# Altium PCB Stepper_Board.PcbDoc (part 2 of 2) (continued)
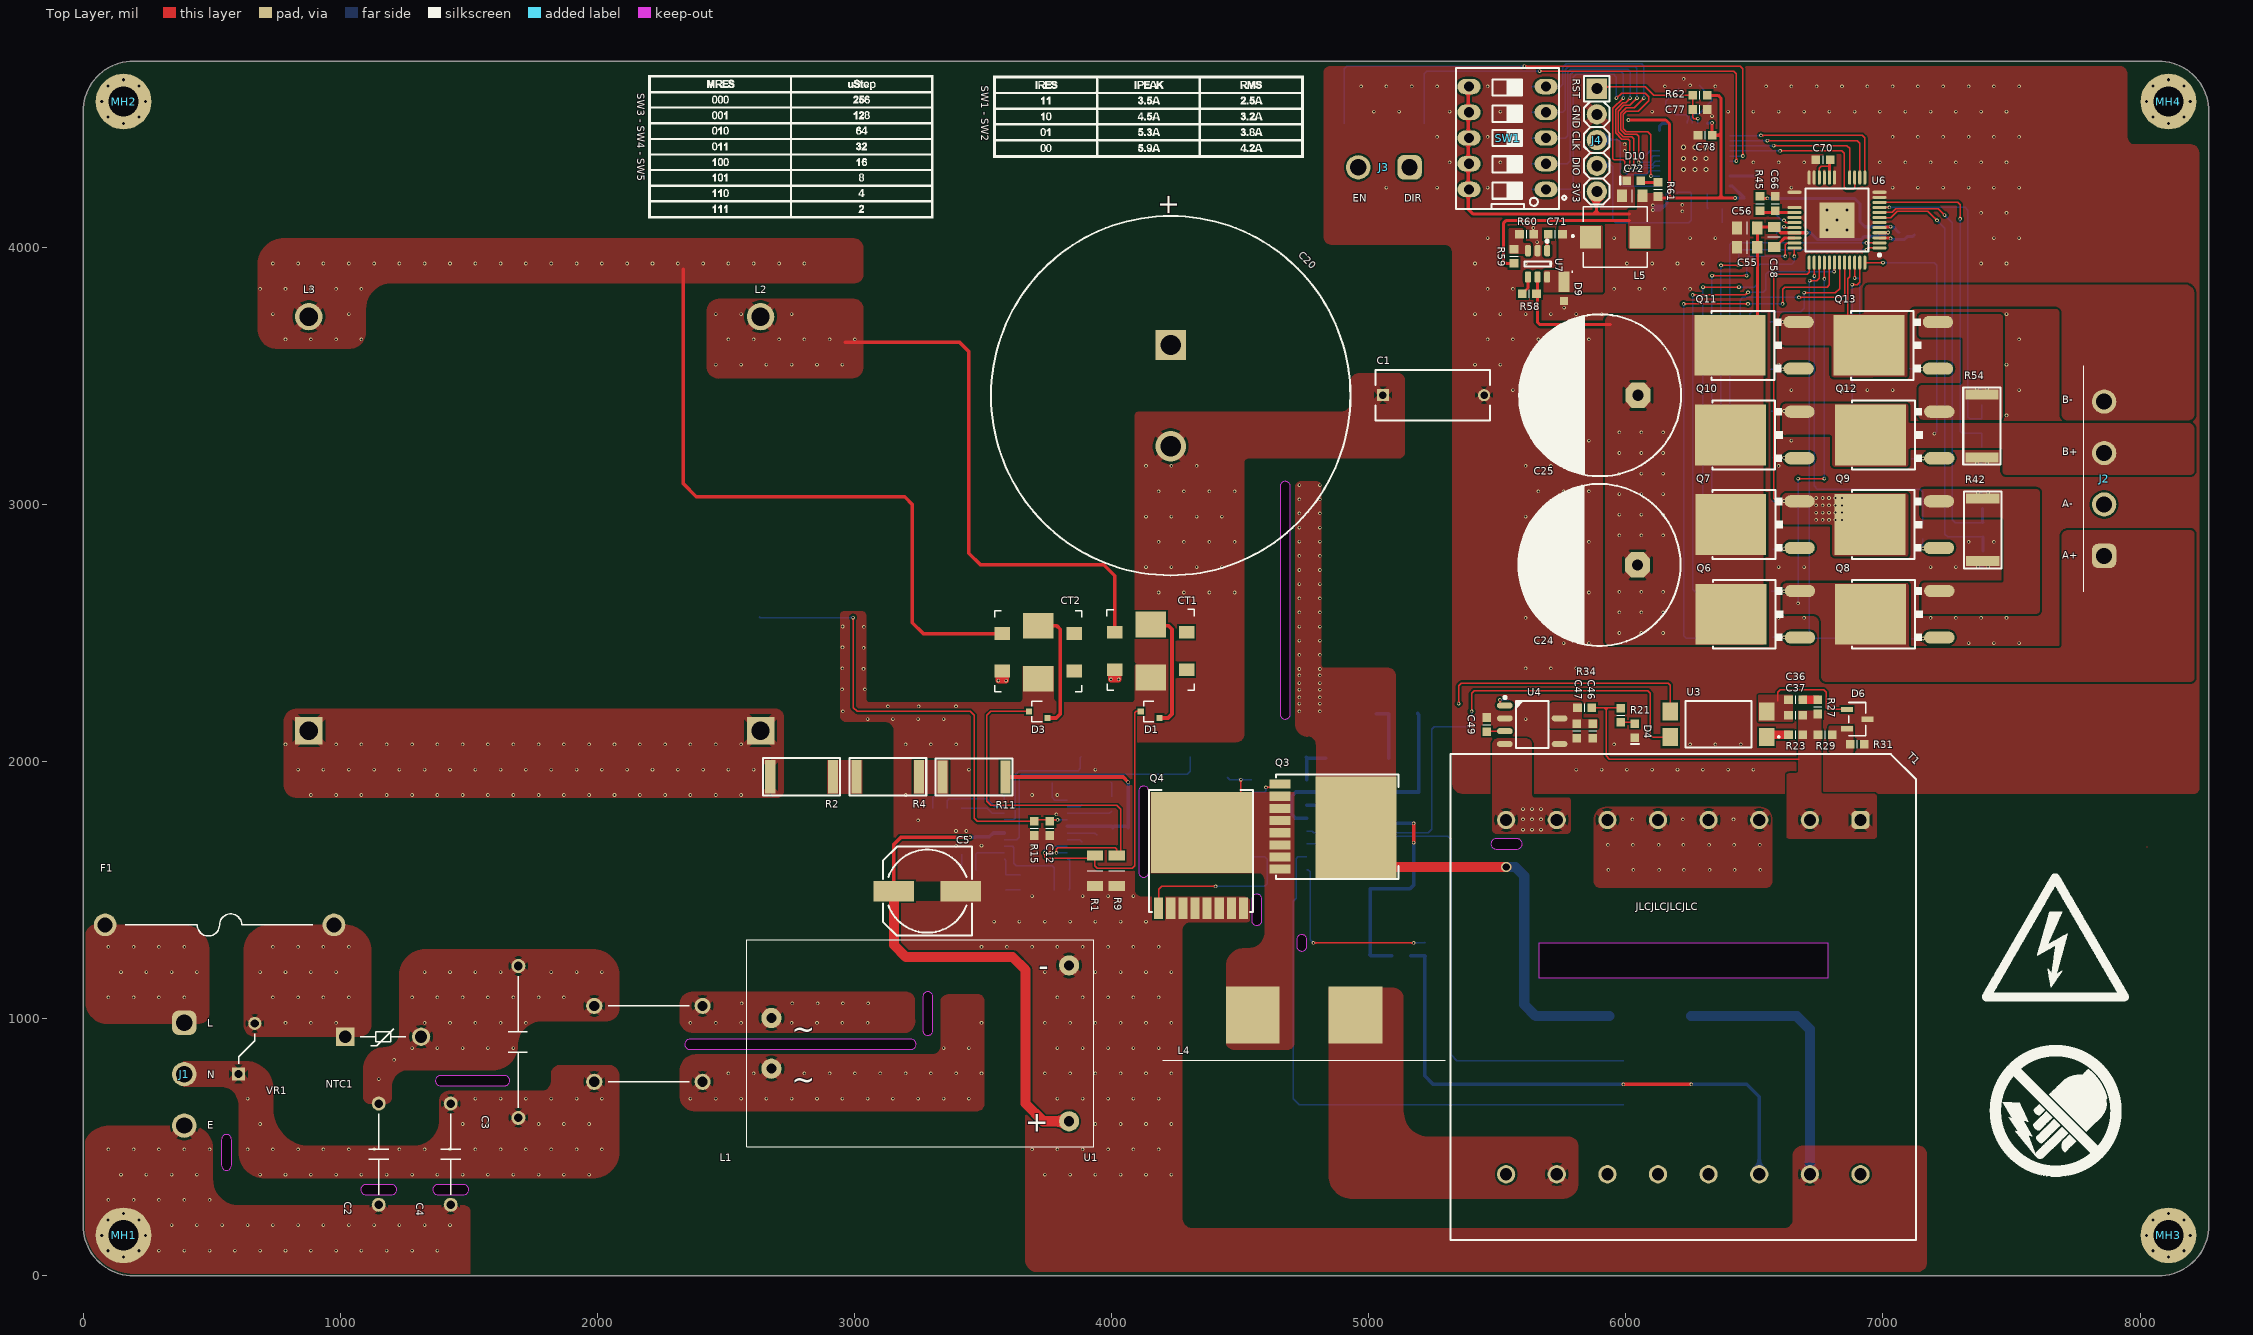
[diagram p0: Top Layer view]
## Nets (pads, with @x,y where several pads share a name; then routed paths per layer and width w, separated by ;. In a path a pad name is that pad's centre, name@x,y a point inside that pad or via, vN(x,y) a via of type N, cw(c..) or ccw(c..) an arc to the next point about the centre after c; other vN are vias at no path point) (continued)
UCC_VCC: C39.2 C40.2 C41.2 C42.2 C43.2 C44.2 D5.1 U5.3 | length 1242
  Top Layer w13.78: v1(5175,1685) v1(5175,1760)
  Bottom Layer w13.78: U5.3@4758.19,1829.8 5028.1,1829.8 C40.2@5029.34,1828.55 ; C40.2@5030,1839.37 5080.63,1839.37 5095,1825 5095,1770 5105,1760 v1(5175,1760) ; D5.1@5089.41,1245 5007.25,1245 C42.2@5004.06,1248.2 5005.09,1249.23 C43.2@5005.09,1419.89 C44.2@5005.09,1505.39 5160.39,1505.39 5175,1520 v1(5175,1685)
UCC_VCR: C31.1 C34.2 R25.2 U5.7 | length 2276.3
  Bottom Layer w5: U5.7@4758.19,1629.8 4757.48,1629.09 4724.09,1629.09 4717.56,1622.56 C34.2@4717.56,1520 R25.2@4717.53,1468.54 4706.68,1457.68 4706.68,688.32 4730,665 C31.1@5990.94,665
V_DCDC: C16.2 C17.2 C18.2 C19.2 C20.1 C29.2 D2.2 Q3.2 R22.2 R35.1 | length 1793.7
  Top Layer w39.37: Q3.2@4930,1910 4940,1900 4950,1900 Q3.2@4950,1775 ; Q3.2@4965,1790 Q3.2@4950,1775 ; v4(5535,1590) 5087.8,1590 4950,1727.8 Q3.2@4950,1745 Q3.2@4950,1775
  Bottom Layer w39.37: v4(5535,1590) 5570,1590 5605,1555 5605,1055 5650,1010 C29.2@5935.94,1010
  other v1: 4730,2195 4810,2195 4730,2225 4810,2225 4730,2250 4810,2250 4730,2280 4810,2280 4730,2305 4810,2305 4730,2335 4810,2335 4730,2360 4810,2360 4730,2415 4810,2415 4730,2470 4810,2470 4730,2525 4810,2525 4730,2580 4810,2580 4730,2635 4810,2635 4730,2690 4810,2690 4730,2745 4810,2745 4730,2800 4810,2800 4730,2855 4810,2855 4730,2910 4810,2910 4730,2965 4810,2965 4730,3020 4810,3020 4730,3075 4810,3075
V_PFC: C5.1 C10.2 C11.2 U1.4 U2.15 | length 2129.1
  Top Layer w13.78: C5.1@3153.66,1496.02 3153.66,1678.66 3180,1705 v1(3450,1705)
  Top Layer w39.37: C5.1@3153.66,1496.02 3153.66,1286.34 3200,1240 3615,1240 3665,1190 3665,670 3733.93,601.07 U1.4@3834.65,601.07
  Bottom Layer w13.78: v1(3430,1705) 3467.56,1705 C11.2@3470,1707.44 ; C11.2@3470,1707.44 C10.2@3524.6,1707.41 3539.39,1722.2 U2.15@3582.95,1722.2
V_RAW+: L2.1 L3.1 R2.2 RECT1.1
  other v1: 885.83,1870.08 984.25,1870.08 1082.68,1870.08 1181.1,1870.08 1279.53,1870.08 1377.95,1870.08 1476.38,1870.08 1574.8,1870.08 1673.23,1870.08 1771.65,1870.08 1870.08,1870.08 1968.5,1870.08 2066.93,1870.08 2165.35,1870.08 2263.78,1870.08 2362.2,1870.08 2460.63,1870.08 2559.06,1870.08 836.61,1968.5 935.04,1968.5 1033.46,1968.5 1131.89,1968.5 1230.32,1968.5 1328.74,1968.5 1427.17,1968.5 1525.59,1968.5 1624.02,1968.5 1722.44,1968.5 1820.87,1968.5 1919.29,1968.5 2017.72,1968.5 2116.14,1968.5 2214.57,1968.5 2312.99,1968.5 2411.42,1968.5 2509.84,1968.5 2608.27,1968.5 787.4,2066.93 984.25,2066.93 1082.68,2066.93 1181.1,2066.93 1279.53,2066.93 1377.95,2066.93 1476.38,2066.93 1574.8,2066.93 1673.23,2066.93 1771.65,2066.93 1870.08,2066.93 1968.5,2066.93 2066.93,2066.93 2165.35,2066.93 2263.78,2066.93 2362.2,2066.93 2460.63,2066.93 2559.06,2066.93
VAO: C7.2 R8.2 U2.3 | length 176.5
  Bottom Layer w5: U2.3@3827.05,1798.98 3991.54,1798.98 R8.2@4000,1807.44
VAO_R: C8.2 R8.1 | length 58.5
  Bottom Layer w5: C8.2@3997.56,1920 4000,1917.56 R8.1@4000,1862.56
VCAP_1: C81.1 U8.22 | length 120.2
  Bottom Layer w11.81: U8.22@6404.88,4276.93 6501.81,4276.93 C81.1@6518.27,4293.39
VINAC: C13.2 R11.1 R16.2 U2.5 | length 905.9
  Top Layer w13.78: R11.1@3587.05,1940 4045,1940 v5(4065,1920)
  Bottom Layer w13.78: U2.5@3827.05,1747.8 3999.76,1747.8 C13.2@4005,1742.56 4010.61,1748.17 R16.2@4064.77,1748.17 ; R16.2@4065,1742.56 v5(4065,1920)
VINAC_1: R2.1 R4.2
VINAC_2: R4.1 R11.2
VIO: C70.2 U6.20 U6.22 | length 148.7
  Top Layer w5: U6.22@6752.18,4271.21 6752.18,4307.18 6760,4315 6791.55,4315 ; C70.2@6791.55,4337.51 C70.2@6794.27,4340.23
  Top Layer w11.81: U6.20@6791.55,4271.21 6791.55,4315 C70.2@6791.55,4337.51
VREF_PFC: C23.2 R17.2 U2.13 | length 351.9
  Bottom Layer w5: U2.13@3582.95,1671.02 3583.98,1670 3615,1670 3620,1665 3620,1605 3630,1595 3770,1595 3777.56,1587.44 C23.2@3777.56,1560 3777.56,1500.12 R17.2@3777.44,1500
VSENSE_PFC: C12.2 R12.1 R15.2 U2.4 | length 1968.3
  Top Layer w5: v1(2995,2560) 2995,2210 3010,2195 3450,2195 3465,2180 3465,1780 3477.44,1767.56 R15.2@3700,1767.56 3705.38,1772.94 v1(3790.49,1772.94)
  Bottom Layer w5: R12.1@2630,2562.95 2632.95,2560 v1(2995,2560) ; v1(3790.49,1772.94) 3790.94,1773.39 U2.4@3827.05,1773.39
pads on no net: CT1. CT1.2 CT1.4 CT1.5 CT1.6 CT2. CT2.2 CT2.4 CT2.5 CT2.6 D1.2 D2. D3.2 L4.3 MH2.1 MH3.1 MH4.1 T1.9 T1.11 T1.13 T1.16 U2. U4.6 U4.8 U4.28 U5. U6. U6.17 U6.18 U6.26 U6.27 U7. U8.2 U8.3 U8.4 U8.10 U8.11 U8.12 U8.13 U8.20 U8.21 U8.25 U8.26 U8.27 U8.29 U8.30 U8.31 U8.32 U8.33 U8.38 U8.45 U8.46 Y1.
copper on no net:
  other v2: 8110.24,72.83 8050.39,97.62 8170.09,97.62 8025.59,157.48 8194.88,157.48 8050.39,217.34 8170.09,217.34 8110.24,242.13 157.48,4482.28 8110.24,4482.28 97.63,4507.07 217.33,4507.07 8050.39,4507.07 8170.09,4507.07 72.83,4566.93 242.13,4566.93 8025.59,4566.93 8194.88,4566.93 97.63,4626.79 217.33,4626.79 8050.39,4626.79 8170.09,4626.79 157.48,4651.57 8110.24,4651.57

## Polygon pours and split planes (outlines as drawn)
PGND on Bottom Layer "PGND_L02_P120" (solid, remove dead copper, pour order 120): 3360,1660 ccw(c3335,1660) 3335,1685 2930,1685 cw(c2927.5,1727.5) 2885,1725 2885,2320 ccw(c2840.01,2320) 2840,2365 830,2365 cw(c829.99,2464.99) 730,2465 730,2980 cw(c814.99,2980) 815,3065 3635,3065 ccw(c3635,3134.99) 3705,3135 3705,3280 cw(c3745,3280) 3745,3320 4320,3320 cw(c4320,3290.01) 4350,3290 4350,3120 ccw(c4390,3120) 4390,3080 4595,3080 cw(c4595,3060) 4615,3060 4615,2180 cw(c4595,2180) 4595,2160 4505,2160 cw(c4504.99,2179.99) 4485,2180 4485,2600 ccw(c4450.01,2600) 4450,2635 3440,2635 ccw(c3440,2615) 3420,2615 3420,2085 ccw(c3439.99,2084.99) 3440,2065 4765,2065 ccw(c4765,2084.99) 4785,2085 cw(c4805,2085) 4805,2105 4930,2105 ccw(c4927.5,2127.5) 4950,2130 4950,2230 cw(c4967.5,2227.5) 4970,2245 5445,2245 cw(c5445.01,2230.01) 5460,2230 5460,2180 cw(c5445.01,2179.99) 5445,2165 5375,2135 ccw(c5349.99,2100.05) 5315,2125 5304.5,371.5 cw(c5273.01,371.49) 5273,340 3710,340 cw(c3710,395) 3655,395 3655,1237.54 ccw(c3625.05,1237.55) 3625.04,1267.5 3387.5,1267.5 cw(c3387.5,1294.99) 3360,1295
SGND on Bottom Layer "SGND_L02_P121" (solid, remove dead copper, pour order 121): 6635,1855 6635,2135 ccw(c6615,2135) 6615,2155 5895,2155 cw(c5895,2180) 5870,2180 5870,3505 cw(c5885,3505) 5885,3520 6185,3520 cw(c6187.5,3507.5) 6200,3510 6200,2375 ccw(c6215,2375) 6215,2360 7580,2360 ccw(c7580,2375) 7595,2375 7595,4685 ccw(c7570,4685) 7570,4710 4795,4710 ccw(c4795,4695) 4780,4695 4780,4145 ccw(c4795,4145) 4795,4130 5375,4130 cw(c5375,4110) 5395,4110 5395,3400 ccw(c5415,3400) 5415,3380 5560,3380 cw(c5560,3360) 5580,3360 5580,2135 ccw(c5590,2135) 5590,2125 5780,2125 cw(c5780,2110) 5795,2110 5795,1860 ccw(c5810,1860) 5810,1845 6625,1845 ccw(c6625,1855)
M_DIR on Bottom Layer "M_DIR_L02_P117" (solid, remove dead copper, pour order 117): 5075,4485 cw(c5080,4485) 5080,4490 5220,4490 cw(c5220,4485) 5225,4485 5225,4250 cw(c5220,4250) 5220,4245 5085,4245 cw(c5085,4255) 5075,4255
M_EN on Bottom Layer "M_EN_L02_P116" (solid, remove dead copper, pour order 116): 4932.44,4490.15 5024.85,4490.15 cw(c5024.85,4485) 5030,4485 5030,4255 cw(c5020,4255) 5020,4245 4905,4245 cw(c4905,4255) 4895,4255 4895,4485 cw(c4900.15,4485) 4900.15,4490.15
3V3 on Bottom Layer "3V3_L02_P113" (solid, remove dead copper, pour order 113): 6165,4470 6150,4470 ccw(c6150,4465) 6145,4465 6145,4460 cw(c6140,4460) 6140,4455 6005,4455 cw(c6005,4460) 6000,4460 6000,4495 cw(c6005,4495) 6005,4500 6165,4500 cw(c6165,4495) 6170,4495 6170,4475 cw(c6165,4475)
SA_B on Bottom Layer "SA_B_L02_P102" (solid, remove dead copper, pour order 102): 6730,3030 cw(c6740,3030) 6740,3040 7080,3040 cw(c7080,3030) 7090,3030 7090,2740 ccw(c7100,2740) 7100,2730 7585,2730 ccw(c7585,2740) 7595,2740 7595,3100 cw(c7610,3100) 7610,3115 8190,3115 cw(c8190,3100) 8205,3100 8205,2915 cw(c8190,2915) 8190,2900 7795,2900 ccw(c7795,2885) 7780,2885 7780,2605 cw(c7765.01,2604.99) 7765,2590 6745,2590 cw(c6745,2605) 6730,2605
M_VBUS on Bottom Layer "M_VBUS_L02_P077" (solid, remove dead copper, pour order 77): 5920,3485 cw(c5935,3485) 5935,3500 6165,3500 cw(c6165.01,3485.01) 6180,3485 6180,2365 ccw(c6205,2365) 6205,2340 7030,2342.5 cw(c7028.76,2321.26) 7050,2320 7050,1720 cw(c7030,1720) 7030,1700 6655,1700 cw(c6655,1715) 6640,1715 6640,1805 cw(c6655,1805) 6655,1820 ccw(c6655,1830) 6665,1830 6665,2160 ccw(c6650.01,2160.01) 6650,2175 5935,2175 cw(c5935,2190) 5920,2190
R_VD1 on Bottom Layer "R_VD1_L02_P070" (solid, remove dead copper, pour order 70): 5770,2115 cw(c5770,2100) 5785,2100 5785,1735 cw(c5770,1735) 5770,1720 5495,1720 cw(c5495,1735) 5480,1735 5480,2105 cw(c5490,2105) 5490,2115
NN on Bottom Layer "NN_L02_P069" (solid, remove dead copper, pour order 69): 5875,1775 cw(c5925,1775) 5925,1825 6520,1825 cw(c6520,1775) 6570,1775 6570,1535 cw(c6545,1535) 6545,1510 5900,1510 cw(c5900,1535) 5875,1535
N1_2 on Bottom Layer "N1_2_L02_P065" (solid, remove dead copper, pour order 65): 6015,1050 cw(c6025,1050) 6025,1060 6170,1060 cw(c6170.01,1050) 6180,1050 6180,350 cw(c6170.01,349.99) 6170,340 6080,340 cw(c6080,350) 6070,350 6070,945 ccw(c6057.51,947.51) 6060,960 6025,960 cw(c6025,970) 6015,970
HV_2 on Bottom Layer "HV_2_L02_P064" (solid, remove dead copper, pour order 64): 5094.18,2520.85 5094.18,2411.22 4964.18,2411.22 4964.18,2520.85
BLK_2 on Bottom Layer "BLK_2_L02_P063" (solid, remove dead copper, pour order 63): 5254.18,2522.55 5254.18,2412.91 5124.18,2412.91 5124.18,2522.55
HV_1 on Bottom Layer "HV_1_L02_P062" (solid, remove dead copper, pour order 62): 5094.18,2837.94 5094.18,2728.31 4964.18,2728.31 4964.18,2837.94
BLK_1 on Bottom Layer "BLK_1_L02_P061" (solid, remove dead copper, pour order 61): 5254.18,2839.63 5254.18,2730 5124.18,2730 5124.18,2839.63
IND_PFC_2 on Bottom Layer "IND_PFC_2_L02_P060" (solid, remove dead copper, pour order 60): 2693.92,2971.43 2693.92,2785 2563.92,2785 2563.92,2971.43
IND_PFC_1 on Bottom Layer "IND_PFC_1_L02_P059" (solid, remove dead copper, pour order 59): 2693.92,3361.43 2693.92,3175 2563.92,3175 2563.92,3361.43
V_DCDC on Bottom Layer "V_DCDC_L02_P042" (solid, remove dead copper, pour order 42): 4715,3070 cw(c4735,3070) 4735,3090 4800,3090 cw(c4797.5,3072.5) 4815,3070 4815,2200 cw(c4795,2200) 4795,2180 4730,2180 cw(c4730,2195) 4715,2195
V_DCDC on Bottom Layer "V_DCDC_L02_P039" (solid, remove dead copper, pour order 39): 4769.26,2970.25 5230.25,2970.25 ccw(c5230.25,3025) 5285,3025 5285,3145 ccw(c5255,3145) 5255,3175 4930,3175 cw(c4930,3240) 4865,3240 4865,3680 ccw(c4755,3680) 4755,3790 4025,3790 cw(c4025,3890) 3925,3890 3925,3940 ccw(c3830,3940) 3830,4035 3220,4035 3220,3615 3645,3615 cw(c3645,3555) 3705,3555 ccw(c3795,3555) 3795,3465 4615,3465 cw(c4615,3365) 4715,3365 4715,3005 ccw(c4750,3005) 4750,2970
L2_OUT on Bottom Layer "L2_OUT_L02_P037" (solid, remove dead copper, pour order 37): 3000,3860 ccw(c3000,3895) 3035,3895 3035,3995 ccw(c2995,3995) 2995,4035 780,4035 ccw(c780,3935) 680,3935 680,3680 ccw(c755,3680) 755,3605 1035,3605 ccw(c1035,3670) 1100,3670 1100,3760 cw(c1200,3760) 1200,3860 2610,3860
L1_OUT on Bottom Layer "L1_OUT_L02_P036" (solid, remove dead copper, pour order 36): 2990,3490 ccw(c2990,3535) 3035,3535 3035,3760 ccw(c2995,3760) 2995,3800 2475,3800 ccw(c2475,3750) 2425,3750 2425,3535 ccw(c2472.5,3537.5) 2475,3490
V_RAW+ on Bottom Layer "V_RAW+_L02_P034" (solid, remove dead copper, pour order 34): 2690,2225 cw(c2690,2175) 2740,2175 2740,1650 ccw(c2830,1650) 2830,1560 3190,1560 cw(c3190,1510) 3240,1510 3240,1300 cw(c3205,1300) 3205,1265 2420,1265 cw(c2420,1365) 2320,1365 2320,1715 ccw(c2220,1715) 2220,1815 830,1815 cw(c830,1915) 730,1915 730,2125 cw(c832.5,2122.5) 835,2225
L_R on Bottom Layer "L_R_L02_P033" (solid, remove dead copper, pour order 33): 3200,945 ccw(c3190.07,989.95) 3235,1000 3235,1070 ccw(c3200,1070) 3200,1105 2370,1105 ccw(c2370,1055) 2320,1055 2320,1000 ccw(c2372.5,997.5) 2370,945
N_R on Bottom Layer "N_R_L02_P030" (solid, remove dead copper, pour order 30): 3302.5,862.5 ccw(c3302.5,895) 3335,895 3335,1065 cw(c3365,1065) 3365,1095 3480,1095 cw(c3480,1070) 3505,1070 3505,670 cw(c3475,670) 3475,640 2380,640 cw(c2380,700) 2320,700 2320,795 cw(c2387.5,795) 2387.5,862.5
L_EMI on Bottom Layer "L_EMI_L02_P018" (solid, remove dead copper, pour order 18): 1115,670 cw(c1115,695) 1090,695 1090,805 cw(c1175,805) 1175,890 ccw(c1175,945) 1230,945 1230,1170 cw(c1330,1170) 1330,1270 1985,1270 cw(c1985,1170) 2085,1170 2085,1040 cw(c2035,1040) 2035,990 1785,990 ccw(c1785,895) 1690,895 cw(c1595,895) 1595,800 1265,800 ccw(c1265,735) 1200,735 1200,690 cw(c1180,690) 1180,670
L_FUSE on Bottom Layer "L_FUSE_L02_P012" (solid, remove dead copper, pour order 12): 625,1265 cw(c725,1265) 725,1365 1020,1365 cw(c1020,1265) 1120,1265 1120,975 cw(c1075,975) 1075,930 670,930 cw(c670,975) 625,975
L on Bottom Layer "L_L02_P010" (solid, remove dead copper, pour order 10): 390,1365 cw(c390,1265) 490,1265 490,1020 cw(c450,1020) 450,980 80,980 cw(c104.36,1074.36) 10,1050 10,1335 cw(c58.23,1316.77) 40,1365
N on Bottom Layer "N_L02_P004" (solid, remove dead copper, pour order 4): 390,835 625,835 cw(c632.5,727.5) 740,735 740,662.17 ccw(c885.53,650.53) 873.89,505 1285,505 ccw(c1285,605) 1385,605 1385,680 cw(c1425,680) 1425,720 1785,720 ccw(c1785,755) 1820,755 1820,785 cw(c1855,785) 1855,820 2045,820 cw(c2045,780) 2085,780 2085,480 cw(c1985,480) 1985,380 705,380 cw(c705,480) 605,480 605,665 ccw(c535,665) 535,735 390,735
Chassis on Bottom Layer "CHASSIS_L02_P001" (solid, remove dead copper, pour order 1): 0,0 0,484.25 cw(c100,484.25) 100,584.25 415.75,584.25 cw(c415.75,495) 505,495 505,375 ccw(c605,375) 605,275 1480,275 cw(c1480,250) 1505,250 1505,0
SGND on Top Layer "SGND_L01_P124" (solid, remove dead copper, pour order 124): 5325,3980 ccw(c5295,3980) 5295,4010 4855,4010 cw(c4855,4040) 4825,4040 4825,4680 cw(c4850,4680) 4850,4705 7920,4705 cw(c7920,4675) 7950,4675 7950,4430 ccw(c7980,4430) 7980,4400 8195,4400 cw(c8195,4365) 8230,4365 8230,1895 cw(c8210,1895) 8210,1875 5365,1875 cw(c5365,1915) 5325,1915
PGND on Top Layer "PGND_L01_P119" (solid, remove dead copper, pour order 119): 3665,1190 ccw(c3615,1190) 3615,1240 3200,1240 cw(c3200,1286.34) 3153.66,1286.34 3153.66,2116.34 ccw(c3115,2116.34) 3115,2155 2965,2155 cw(c2965,2175) 2945,2175 2945,2570 cw(c2960,2570) 2960,2585 3030,2585 cw(c3030,2570) 3045,2570 3045,2245 ccw(c3060,2245) 3060,2230 3635,2230 ccw(c3635,2250) 3655,2250 3655,2370 3775,2370 3775,2250 ccw(c3795,2250) 3795,2230 4075,2230 ccw(c4075,2245) 4090,2245 4090,2370 cw(c4100,2370) 4100,2380 cw(c4100,2390) 4090,2390 4090,3345 cw(c4105,3345) 4105,3360 4890,3360 ccw(c4890,3400) 4930,3400 4930,3480 cw(c4960,3480) 4960,3510 5115,3510 cw(c5115,3485) 5140,3485 5140,3200 cw(c5120,3200) 5120,3180 4535,3180 ccw(c4535,3160) 4515,3160 4515,2105 cw(c4485,2105) 4485,2075 4115,2075 ccw(c4115,2050) 4090,2050 4090,1500 ccw(c4115,1500) 4115,1475 4515,1475 cw(c4515,1450) 4540,1450 4540,1390 cw(c4525,1390) 4525,1375 4305,1375 ccw(c4305,1345) 4275,1345 4275,225 ccw(c4315,225) 4315,185 6615,185 ccw(c6615,220) 6650,220 6650,470 cw(c6685,470) 6685,505 7140,505 cw(c7140,475) 7170,475 7170,50 cw(c7135,50) 7135,15 3710,15 cw(c3710,60) 3665,60
3V3 on Top Layer "3V3_L01_P111" (solid, remove dead copper, pour order 111): 6010,4140 cw(c6015,4140) 6015,4145 6040,4145 ccw(c6040,4150) 6045,4150 6045,4205 cw(c6050,4205) 6050,4210 6140,4210 cw(c6140,4205) 6145,4205 6145,4000 cw(c6140,4000) 6140,3995 6015,3995 cw(c6015,4000) 6010,4000
BCK_FB on Top Layer "BCK_FB_L01_P109" (solid, remove dead copper, pour order 109): 5548.27,3975.83 5625.83,3975.83 ccw(c5625.83,3980) 5630,3980 5630,4010 ccw(c5625,4010) 5625,4015 5605,4015 cw(c5605,4020) 5600,4020 5600,4070 ccw(c5595,4070) 5595,4075 5550,4075 ccw(c5550,4070) 5545,4070 5545,3979.09 ccw(c5548.27,3979.09)
BCK_SW on Top Layer "BCK_SW_L01_P106" (solid, remove dead copper, pour order 106): 5680,3905 cw(c5685,3905) 5685,3910 5735,3910 ccw(c5735,3915) 5740,3915 5740,4080 cw(c5745,4080) 5745,4085 5905,4085 cw(c5905,4080) 5910,4080 5910,3830 cw(c5905,3830) 5905,3825 5685,3825 cw(c5685,3830) 5680,3830
SA_A on Top Layer "Top Layer-SA_A" (solid, remove dead copper, pour order 104): 6731.4,2574.41 cw(c6725,2540.01) 6760,2540 6760,2330 ccw(c6780,2330) 6780,2310 8195,2310 ccw(c8195,2325) 8210,2325 8210,2885 ccw(c8195,2885) 8195,2900 7720,2900 ccw(c7719.99,2875.01) 7695,2875 7695,2455 cw(c7680.01,2454.99) 7680,2440 7115,2440 cw(c7115,2455) 7100,2455 7100,2571.91 7100,2684.41 ccw(c7090.01,2684.42) 7090,2694.41 6625,2694.41 ccw(c6624.99,2679.42) 6610,2679.41 6610,2584.41 ccw(c6622.5,2586.91) 6625,2574.41
SB_A on Top Layer "Top Layer-SB_A" (solid, remove dead copper, pour order 100): 6607.8,3281.47 ccw(c6620.3,3283.97) 6622.8,3271.47 6792.8,3271.47 cw(c6792.8,3261.47) 6802.8,3261.47 6802.8,3156.47 ccw(c6812.8,3156.47) 6812.8,3146.47 7087.8,3146.47 ccw(c7087.81,3156.47) 7097.8,3156.47 7097.8,3213.73 cw(c7110,3205) 7110,3220 7455,3220 cw(c7455,3210) 7465,3210 7465,3130 ccw(c7480,3130) 7480,3115 8195,3115 ccw(c8195,3130) 8210,3130 8210,3295 ccw(c8190,3295) 8190,3315 7110,3315 cw(c7110,3330) 7097.8,3321.27 7097.8,3381.47 ccw(c7087.8,3381.47) 7087.8,3391.47 6622.8,3391.47 ccw(c6622.8,3376.47) 6607.8,3376.47
SB_B on Top Layer "Top Layer-SB_B" (solid, remove dead copper, pour order 97): 6947.5,3495 ccw(c6953.75,3518.75) 6960,3495 7085,3495 ccw(c7085,3504.99) 7095,3505 7095,3520 ccw(c7067.67,3522.49) 7095,3524.99 7095,3581.3 7095,3700 7095,3737.07 cw(c7127.92,3737.07) 7127.93,3770 7670,3770 cw(c7670,3745) 7695,3745 7695,3350 ccw(c7717.5,3350) 7717.5,3327.5 8187.5,3327.5 ccw(c8187.5,3350) 8210,3350 8210,3820 ccw(c8175,3820) 8175,3855 6945,3855 ccw(c6944.99,3840.01) 6930,3840.01 6930,3755 cw(c6915,3755) 6915,3740 6620,3740 ccw(c6620,3725) 6605,3725 6605,3630 ccw(c6617.5,3632.5) 6620,3620 6790,3620 cw(c6790,3610) 6800,3610 6800,3505 ccw(c6810,3505) 6810,3495
SB_LOW on Top Layer "Top Layer-SB_LOW" (solid, remove dead copper, pour order 93): 7452.5,3330 ccw(c7452.5,3342.5) 7465,3342.5 7465,3730 ccw(c7455,3730) 7455,3740 7150,3740 ccw(c7150,3730) 7140,3730 7140,3660 ccw(c7150,3660) 7150,3650 7300,3650 cw(c7300,3640) 7310,3640 7310,3475 cw(c7296.55,3476.29) 7297.84,3462.84 7295.26,3462.84 cw(c7296.55,3476.29) 7295.26,3462.84 7150,3462.84 ccw(c7150.17,3452.66) 7140,3452.84 7140,3343.75 ccw(c7153.63,3343.63) 7153.75,3330 7452.5,3330
V_DCDC on Top Layer "Top Layer-V_DCDC" (solid, remove dead copper, pour order 90): 4715,2194.95 4715,2145 ccw(c4762.5,2145) 4762.5,2097.5 cw(c4762.5,2065) 4795,2065 4795,1875 5105,1875 5105,2335 ccw(c5075,2335) 5075,2365 4830,2365 cw(c4830,2380) 4815,2380 4815,2385 4815,3070 ccw(c4797.5,3072.5) 4800,3090 4735,3090 ccw(c4735,3070) 4715,3070 4715,2195 ccw(c4730,2195)
SA_LOW on Top Layer "Top Layer-SA_LOW" (solid, remove dead copper, pour order 88): 7150,2585 ccw(c7160,2585) 7160,2575 7595,2575 ccw(c7595.01,2589.99) 7610,2590 7610,3045 ccw(c7595.01,3045.01) 7595,3060 7456.99,3060 ccw(c7456.8,3045.17) 7455.82,3059.97 ccw(c7455.13,3053.16) 7455,3060 7160,3060 ccw(c7159.99,3050.01) 7150,3050 7150,2960 ccw(c7160,2960) 7160,2950 7455,2950 cw(c7455.01,2935.01) 7470,2935 7470,2705 cw(c7460,2705) 7460,2695 7160,2695 ccw(c7160,2685) 7150,2685
SA_B on Top Layer "SA_B_L01_P081" (solid, remove dead copper, pour order 81): 6608.62,3027.94 cw(c6623.62,3027.94) 6623.62,3042.94 7088.62,3042.94 cw(c7088.62,3032.94) 7098.62,3032.94 7098.62,2807.94 cw(c7088.62,2807.94) 7088.62,2797.94 6813.62,2797.94 cw(c6813.62,2807.94) 6803.62,2807.94 6803.62,2912.94 ccw(c6793.62,2912.94) 6793.62,2922.94 6623.62,2922.94 cw(c6621.12,2935.44) 6608.62,2932.94
M_VBUS on Top Layer "M_VBUS_L01_P078" (solid, remove dead copper, pour order 78): 6535,3735 5940,3735 ccw(c5940,3715) 5920,3715 5920,2470 ccw(c5935,2470) 5935,2455 6535,2455
TLV on Top Layer "TLV_L01_P076" (solid, remove dead copper, pour order 76): 6790,2135 cw(c6795,2135) 6795,2140 6880,2140 cw(c6880,2135) 6885,2135 6885,2040 cw(c6880,2040) 6880,2035 6795,2035 cw(c6795,2040) 6790,2040
M_VBUS on Top Layer "M_VBUS_L01_P075" (solid, remove dead copper, pour order 75): 6670.83,2196.73 6753.27,2196.73 cw(c6753.27,2190) 6760,2190 6760,1885 ccw(c6770,1885) 6770,1875 6965,1875 cw(c6965,1865) 6975,1865 6975,1710 cw(c6965,1710) 6965,1700 6635,1700 cw(c6635,1710) 6625,1710 6625,1945 cw(c6635,1945) 6635,1955 6660,1955 ccw(c6660,1965) 6670,1965
OPT_E on Top Layer "OPT_E_L01_P073" (solid, remove dead copper, pour order 73): 6515,2255 cw(c6520,2255) 6520,2260 6645.91,2260 cw(c6645.91,2256.73) 6649.17,2256.73 6649.17,2159.17 cw(c6645,2159.17) 6645,2155 6520,2155 cw(c6520,2160) 6515,2160
R_VDD on Top Layer "R_VDD_L01_P072" (solid, remove dead copper, pour order 72): 5705,2220 cw(c5715,2220) 5715,2230 5824.38,2230 cw(c5824.38,2225.67) 5828.72,2225.66 5828.72,2170.02 ccw(c5833.73,2170.01) 5833.73,2165 5885,2165 cw(c5885,2160) 5890,2160 5890,2132.19 cw(c5887.57,2132.19) 5887.57,2129.76 5710.24,2129.76 cw(c5710.24,2135) 5705,2135
R_VD1 on Top Layer "R_VD1_L01_P071" (solid, remove dead copper, pour order 71): 5495,1720 cw(c5495,1735) 5480,1735 5480,2065 cw(c5505,2065) 5505,2090 5610,2090 cw(c5610,2065) 5635,2065 5635,1870 ccw(c5645,1870) 5645,1860 5775,1860 cw(c5775,1850) 5785,1850 5785,1735 cw(c5772.5,1732.5) 5775,1720
NN on Top Layer "NN_L01_P068" (solid, remove dead copper, pour order 68): 5875,1775 cw(c5925,1775) 5925,1825 6520,1825 cw(c6520,1775) 6570,1775 6570,1535 cw(c6545,1535) 6545,1510 5900,1510 cw(c5900,1535) 5875,1535
VINAC_2 on Top Layer "VINAC_2_L01_P058" (solid, remove dead copper, pour order 58): 3230.31,2005 3365.31,2005 3365.31,1875 3230.31,1875
VINAC_1 on Top Layer "VINAC_1_L01_P057" (solid, remove dead copper, pour order 57): 2895,2005 3030,2005 3030,1875 2895,1875
V_RAW+ on Top Layer "V_RAW+_L01_P056" (solid, remove dead copper, pour order 56): 2700,1860 ccw(c2700,1885) 2725,1885 2725,2175 ccw(c2695,2175) 2695,2205 830,2205 ccw(c829.99,2155) 780,2155 780,1910 ccw(c830,1910) 830,1860
N1_1 on Top Layer "N1_1_L01_P055" (solid, remove dead copper, pour order 55): 5815,505 ccw(c5780,505) 5780,540 5235,540 cw(c5235,640) 5135,640 5135,1080 ccw(c5095,1080) 5095,1120 4845,1120 4845,390.15 ccw(c4935.15,390.15) 4935.15,300 5755,300 ccw(c5755,360) 5815,360
UCC_HS on Top Layer "UCC_HS_L01_P046" (solid, remove dead copper, pour order 46): 4710,1880 4150,1880 4150,1565 4710,1565
UCC_HS on Top Layer "UCC_HS_L01_P047" (solid, remove dead copper, pour order 47): 4445,1205 cw(c4515,1205) 4515,1275 4535,1275 ccw(c4535,1335) 4595,1335 4595,1540 ccw(c4552.5,1532.5) 4545,1575 4710,1575 4710,905 cw(c4685.01,904.99) 4685,880 4475,880 cw(c4475,910) 4445,910
L2_OUT on Top Layer "L2_OUT_L01_P038" (solid, remove dead copper, pour order 38): 3000,3860 ccw(c3000,3895) 3035,3895 3035,3995 ccw(c2995,3995) 2995,4035 780,4035 ccw(c780,3935) 680,3935 680,3680 ccw(c755,3680) 755,3605 1035,3605 ccw(c1035,3670) 1100,3670 1100,3760 cw(c1200,3760) 1200,3860 2610,3860
L1_OUT on Top Layer "L1_OUT_L01_P035" (solid, remove dead copper, pour order 35): 2990,3490 ccw(c2990,3535) 3035,3535 3035,3760 ccw(c2995,3760) 2995,3800 2475,3800 ccw(c2475,3750) 2425,3750 2425,3535 ccw(c2472.5,3537.5) 2475,3490
L_R on Top Layer "L_R_L01_P032" (solid, remove dead copper, pour order 32): 3200,945 ccw(c3190.07,989.95) 3235,1000 3235,1070 ccw(c3200,1070) 3200,1105 2370,1105 ccw(c2370,1055) 2320,1055 2320,1000 ccw(c2372.5,997.5) 2370,945
N_R on Top Layer "N_R_L01_P029" (solid, remove dead copper, pour order 29): 3302.5,862.5 ccw(c3302.5,895) 3335,895 3335,1065 cw(c3365,1065) 3365,1095 3480,1095 cw(c3480,1070) 3505,1070 3505,670 cw(c3475,670) 3475,640 2380,640 cw(c2380,700) 2320,700 2320,795 cw(c2387.5,795) 2387.5,862.5
L_EMI on Top Layer "L_EMI_L01_P017" (solid, remove dead copper, pour order 17): 1115,670 cw(c1115,695) 1090,695 1090,805 cw(c1175,805) 1175,890 ccw(c1175,945) 1230,945 1230,1170 cw(c1330,1170) 1330,1270 1985,1270 cw(c1985,1170) 2085,1170 2085,1040 cw(c2035,1040) 2035,990 1785,990 ccw(c1785,895) 1690,895 cw(c1595,895) 1595,800 1265,800 ccw(c1265,735) 1200,735 1200,690 cw(c1180,690) 1180,670
L_FUSE on Top Layer "L_FUSE_L01_P011" (solid, remove dead copper, pour order 11): 625,1265 cw(c725,1265) 725,1365 1020,1365 cw(c1020,1265) 1120,1265 1120,975 cw(c1075,975) 1075,930 670,930 cw(c670,975) 625,975
L on Top Layer "L_L01_P009" (solid, remove dead copper, pour order 9): 390,1365 cw(c390,1265) 490,1265 490,1020 cw(c450,1020) 450,980 80,980 cw(c104.36,1074.36) 10,1050 10,1335 cw(c58.23,1316.77) 40,1365
N on Top Layer "N_L01_P005" (solid, remove dead copper, pour order 5): 390,835 625,835 cw(c632.5,727.5) 740,735 740,662.17 ccw(c885.53,650.53) 873.89,505 1285,505 ccw(c1285,605) 1385,605 1385,680 cw(c1425,680) 1425,720 1785,720 ccw(c1785,755) 1820,755 1820,785 cw(c1855,785) 1855,820 2045,820 cw(c2045,780) 2085,780 2085,480 cw(c1985,480) 1985,380 705,380 cw(c705,480) 605,480 605,665 ccw(c535,665) 535,735 390,735
Chassis on Top Layer "CHASSIS_L01_P000" (solid, remove dead copper, pour order 0): 0,0 0,484.25 cw(c100,484.25) 100,584.25 415.75,584.25 cw(c415.75,495) 505,495 505,375 ccw(c605,375) 605,275 1480,275 cw(c1480,250) 1505,250 1505,0

## Other copper
Top Layer:
  region: 8026.49,1667.73 8026.64,1668.02 8027,1668.39 8027.07,1666.56 8027,1666.49 8026.64,1666.85 8026.49,1667.44 8026.49,1667.58

## Silkscreen, mask and mechanical layers (free items; w line width, h text height)
Top Overlay:
  drawing of 108 lines, arcs and shapes, not listed
  text "RST" at 5793.98,4655.12 h28 r270
  text "SW1 - SW2" at 3494,4629 h28 r270
  text "SW3 - SW4 - SW5" at 2156,4599 h28 r270
  text "GND" at 5793.98,4553.17 h28 r270
  text "CLK" at 5793.98,4451.23 h28 r270
  text "DIO" at 5793.98,4349.28 h28 r270
  text "3V3" at 5793.98,4252 h28 r270
  text "EN" at 4938,4178 h28
  text "DIR" at 5138,4178 h28
  text "B-" at 7698,3393 h28
  text "B+" at 7698,3191.33 h28
  text "A-" at 7698,2989.67 h28
  text "A+" at 7698,2788 h28
  text "JLCJLCJLCJLC" at 6038.11,1422.33 h28
  text "L" at 483,968 h28
  text "N" at 483,768 h28
  text "E" at 483,573 h28
Top Solder:
  text "Designed By Hatim Saad" at 8145.38,4355 h50 r270
Board Shape:
  the board outline again, w1
Board Shape (Mech69):
  lines w1: 0,196.85 ccw(c196.85,196.85) 196.85,0 8070.87,0 ccw(c8070.87,196.85) 8267.72,196.85 8267.72,4527.56 ccw(c8070.87,4527.56) 8070.87,4724.41 196.85,4724.41 ccw(c196.85,4527.56) 0,4527.56 0,196.85 ; 538.25,430 ccw(c557.95,430) 577.65,430 577.65,530 ccw(c557.95,530) 538.25,530 538.25,430 ; 1100,315.6 cw(c1100,335.3) 1100,355 1200,355 cw(c1200,335.3) 1200,315.6 1100,315.6 ; 1380,315.6 cw(c1380,335.3) 1380,355 1480,355 cw(c1480,335.3) 1480,315.6 1380,315.6 ; 1390,739.3 cw(c1390,759) 1390,778.7 1640,778.7 cw(c1640,759) 1640,739.3 1390,739.3 ; 2360,880.6 cw(c2360,900.3) 2360,920 3220,920 cw(c3220,900.3) 3220,880.6 2360,880.6 ; 3265.6,955 ccw(c3285.3,955) 3305,955 3305,1085 ccw(c3285.3,1085) 3265.6,1085 3265.6,955 ; 4105,1570 ccw(c4124.7,1570) 4144.4,1570 4144.4,1885 ccw(c4124.7,1885) 4105,1885 4105,1570 ; 4545,1382.5 ccw(c4564.7,1382.5) 4584.4,1382.5 4584.4,1465 ccw(c4564.7,1465) 4545,1465 4545,1382.5 ; 4655.6,2185 ccw(c4675.3,2185) 4695,2185 4695,3070 ccw(c4675.3,3070) 4655.6,3070 4655.6,2185 ; 4720,1282.5 ccw(c4739.7,1282.5) 4759.4,1282.5 4759.4,1307.5 ccw(c4739.7,1307.5) 4720,1307.5 4720,1282.5 ; 5495,1660 cw(c5495,1679.7) 5495,1699.4 5577.5,1699.4 cw(c5577.5,1679.7) 5577.5,1660 5495,1660 ; 5662.4,1156.81 5662.4,1294.61 6784.45,1294.61 6784.45,1156.81 5662.4,1156.81

## Text inside footprints (layer, text, board x,y; h text height)
C20: Top Overlay "+" at 4189.32,4210.55 h78.74 r270
RECT1: Bottom Overlay "+" at 3119.09,1332.63 h19.68; Bottom Overlay "-" at 3464.09,1326.07 h19.68; Bottom Overlay "~" at 3409.17,914.29 h60; Bottom Overlay "~" at 3184.17,914.29 h60
T1: Top Courtyard "PCB Cutout Area" at 5987.2,1202.09 h78.74
U1: Top Overlay "+" at 3755,561.09 h80; Top Overlay "-" at 3755,1167.38 h80; Top Overlay "~" at 2756.81,922.67 h80; Top Overlay "~" at 2756.81,725.82 h80